# Altium PCB ui_brd_raton_v0.PcbDoc (part 4 of 4)
Units mm, origin at the board's own origin, x right, y up, seen from the top; angles counter-clockwise.
Board outline 280.16 x 208.53 mm, 2 copper layers (Top Layer, Bottom Layer); 354 components, 324 nets, 1344 pads, 595 vias.
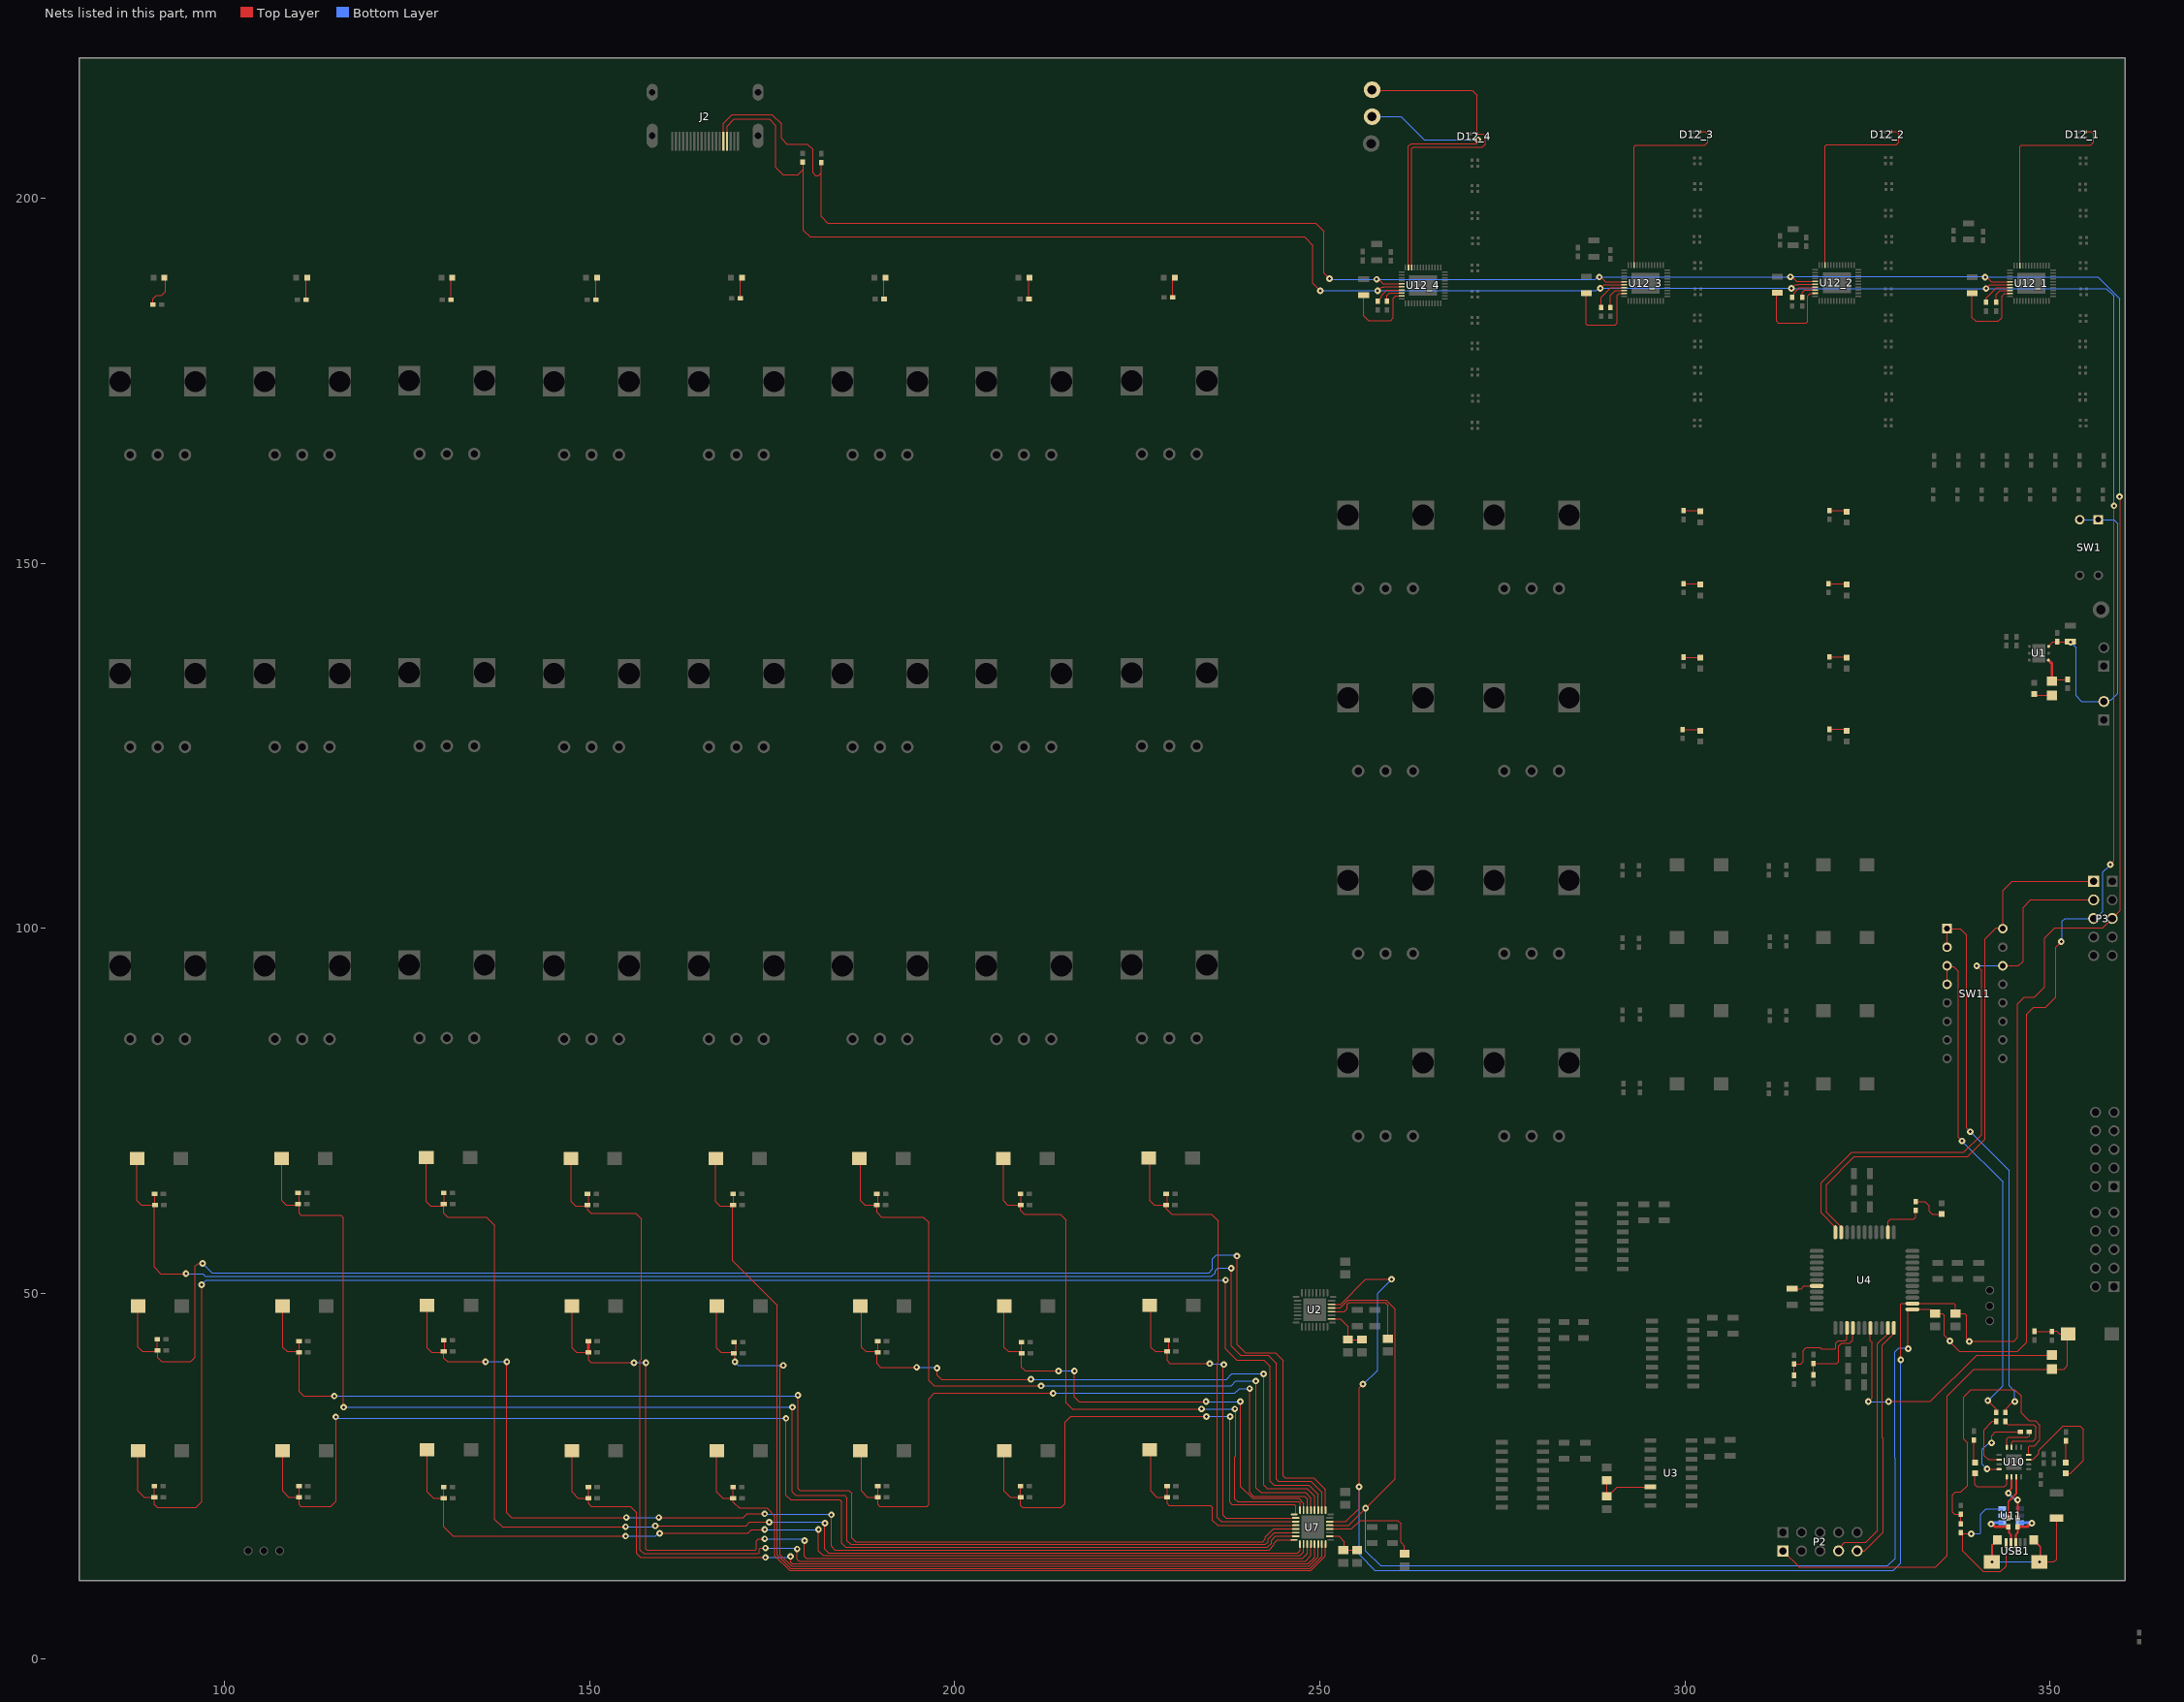
[diagram p4: the nets of this part, all layers, seen from the top]

## Via types
v1: diameter 0.9, hole 0.4, Top Layer to Bottom Layer, tented both sides, 571 vias
v2: diameter 0.5, hole 0.2, Top Layer to Bottom Layer, 16 vias
v3: diameter 0.6, hole 0.3, Top Layer to Bottom Layer, 4 vias
v4: diameter 6, hole 3.15, Top Layer to Bottom Layer, 4 vias

## Nets (pads, with @x,y where several pads share a name; then routed paths per layer and width w, separated by ;. In a path a pad name is that pad's centre, name@x,y a point inside that pad or via, vN(x,y) a via of type N, cw(c..) or ccw(c..) an arc to the next point about the centre after c; other vN are vias at no path point) (continued)
LED12_G_4: D12_4.3 J4_4.1 U12_4.35 | length 42.5
  Top Layer w0.152: U12_4.35@262.16,190.493 262.16,207.125 262.493,207.458 271.51,207.458 271.653,207.601 v1(271.653,207.988)
  Bottom Layer w0.152: J4_4.1@257.175,211.157 261.156,211.157 264.325,207.988 v1(271.653,207.988)
LED12_R_1: D12_1.2 U12_1.34 | length 28.9
  Top Layer w0.152: U12_1.34@345.872,190.791 345.872,207.061 346.075,207.264 355.6,207.264 355.981,207.645 355.981,208.788 355.683,209.086 D12_1.2@354.965,209.086
LED12_R_2: D12_2.2 U12_2.34 | length 28.9
  Top Layer w0.152: U12_2.34@319.202,190.829 319.202,207.099 319.405,207.302 328.93,207.302 329.311,207.683 329.311,208.826 329.013,209.124 D12_2.2@328.295,209.124
LED12_R_3: D12_3.2 U12_3.34 | length 28.9
  Top Layer w0.152: U12_3.34@293.034,190.81 293.034,207.08 293.237,207.283 302.762,207.283 303.143,207.664 303.143,208.807 302.845,209.105 D12_3.2@302.127,209.105
LED12_R_4: D12_4.2 J5_4.1 U12_4.34 | length 48.8
  Top Layer w0.152: J5_4.1@257.175,214.84 257.258,214.757 270.891,214.757 271.545,214.103 D12_4.2@271.545,208.832 ; U12_4.34@262.56,190.493 262.56,206.763 262.763,206.966 272.288,206.966 272.669,207.347 272.669,208.49 272.371,208.788 D12_4.2@271.653,208.788
MCLRbar: C30.1 P2.1 R51.2 R56.1 SW10.1 | length 73.3
  Top Layer w0.152: P2.1@313.436,14.732 315.595,12.573 315.595,12.535 334.353,12.535 335.915,14.097 335.915,35.941 337.236,37.262 339.598,39.624 R56.1@350.266,39.624 351.917,39.624 352.425,40.132 352.425,44.402 SW10.1@352.473,44.45 351.282,44.45 350.901,44.831 350.301,44.831 R51.2@350.266,44.796 C30.1@347.853,44.796
MCU_RX: P3.1 SW11.16 U4.43 | length 80.4
  Top Layer w0.152: U4.43@321.412,58.366 321.412,59.097 319.405,61.104 319.405,64.897 323.215,68.707 338.709,68.707 341.122,71.12 341.122,98.552 342.646,100.076 343.408,100.076 SW11.16@343.535,99.949 343.535,105.156 344.805,106.426 P3.1@355.981,106.426
MCU_TX: P3.3 SW11.14 U4.44 | length 79.7
  Top Layer w0.152: U4.44@320.612,58.366 320.612,59.041 318.643,61.01 318.643,65.151 322.834,69.342 338.201,69.342 340.614,71.755 340.614,94.234 v1(339.979,94.869) ; SW11.14@343.535,94.869 345.694,94.869 346.329,95.504 346.329,102.87 347.345,103.886 P3.3@355.981,103.886
  Bottom Layer w0.152: v1(339.979,94.869) SW11.14@343.535,94.869
Mute_1: C42_1.1 R70_1.2 SW12_1.1 U7.22 | length 120.3
  Top Layer w0.152: SW12_1.1@167.434,48.128 167.434,42.492 168.021,41.905 169.996,41.905 170.123,42.032 170.088,42.067 R70_1.2@170.088,43.556 ; C42_1.1@169.799,41.783 169.926,41.656 v1(169.926,40.64) ; v1@176.149,40.132 176.131,40.114 176.131,14.192 177.674,12.649 248.538,12.649 249.797,13.908 U7.22@249.797,15.666
  Bottom Layer w0.152: v1(169.926,40.64) 170.434,40.132 v1@176.149,40.132
  other v1: 176.53,40.132
Mute_2: C42_2.1 R70_2.2 SW12_2.1 U7.19 | length 140.2
  Top Layer w0.152: SW12_2.1@147.597,48.26 147.597,48.153 147.622,48.128 147.622,42.492 148.209,41.905 C42_2.1@149.86,41.905 ; C42_2.1@149.86,41.91 C42_2.1@149.86,41.905 ; v1(156.083,40.513) 150.241,40.513 149.86,40.894 C42_2.1@149.86,41.905 ; v1(157.734,40.513) 157.734,14.986 157.861,14.859 172.72,14.859 172.847,14.986 172.847,16.129 173.101,16.383 v1(173.99,16.383) ; v1(179.451,16.129) 179.451,13.97 179.705,13.716 247.65,13.716 248.297,14.363 U7.19@248.297,15.666
  Top Layer w0.381: C42_2.1@149.86,41.91 R70_2.2@149.86,43.434
  Bottom Layer w0.152: v1(156.083,40.513) v1(157.734,40.513) ; v1(173.99,16.383) 179.197,16.383 v1(179.451,16.129)
Mute_3: C42_3.1 R70_3.2 SW12_3.1 U7.16 | length 153.9
  Top Layer w0.152: SW12_3.1@127.81,48.128 127.81,42.492 128.397,41.905 C42_3.1@130.048,41.905 ; C42_3.1@130.048,42.037 C42_3.1@130.048,41.905 ; R70_3.2@130.175,43.709 130.175,42.261 C42_3.1@130.223,42.212 ; v1(135.763,40.64) 130.556,40.64 130.048,41.148 C42_3.1@130.048,41.905 ; v1(138.684,40.64) 138.684,19.939 139.319,19.304 v1(155.067,19.304) ; v1(159.512,19.304) 171.069,19.304 171.577,19.812 v1(173.99,19.812) ; v1(183.134,19.685) 183.134,15.367 183.642,14.859 243.078,14.859 243.769,15.55 243.769,15.804 244.221,16.256 246.707,16.256 U7.16@246.722,16.241
  Bottom Layer w0.152: v1(135.763,40.64) v1(138.684,40.64) ; v1(155.067,19.304) v1(159.512,19.304) ; v1(173.99,19.812) 174.053,19.748 183.07,19.748 v1(183.134,19.685)
Mute_4: C42_4.1 R70_4.2 SW12_4.1 U7.13 | length 172.6
  Top Layer w0.152: SW12_4.1@107.998,48.255 107.998,42.619 108.585,42.032 C42_4.1@110.236,42.032 ; R70_4.2@110.236,43.57 R70_4.2@110.236,43.434 C42_4.1@110.236,42.032 ; v1(115.062,35.941) 110.871,35.941 110.236,36.576 C42_4.1@110.236,41.91 C42_4.1@110.236,42.032 ; v1(178.562,36.068) 178.58,36.05 178.58,29.491 178.562,29.473 178.562,23.241 178.816,22.987 185.547,22.987 185.928,22.606 185.928,16.51 186.436,16.002 242.189,16.002 242.57,16.383 242.57,16.637 243.674,17.741 U7.13@246.722,17.741
  Bottom Layer w0.152: v1@114.808,36.195 v1(115.062,35.941) 178.435,35.941 v1(178.562,36.068)
Mute_5: C42_5.1 R70_5.2 SW12_5.1 U7.10 | length 49.4
  Top Layer w0.152: SW12_5.1@226.87,48.255 226.87,42.619 227.457,42.032 C42_5.1@229.108,42.032 ; C42_5.1@229.108,42.037 C42_5.1@229.108,42.032 ; 229.362,42.356 R70_5.2@229.362,43.691 ; v1(234.95,40.386) 229.489,40.386 229.108,40.767 C42_5.1@229.108,42.032 ; v1(236.855,40.259) 236.791,40.195 236.791,19.622 237.172,19.241 U7.10@246.722,19.241
  Bottom Layer w0.152: v1(234.95,40.386) 235.013,40.322 236.791,40.322 v1(236.855,40.259)
Mute_6: C42_6.1 R70_6.2 SW12_6.1 U7.7 | length 68.1
  Top Layer w0.152: SW12_6.1@206.804,48.255 206.804,42.619 207.391,42.032 C42_6.1@209.047,42.032 ; R70_6.2@209.296,43.18 R70_6.2@209.169,43.307 209.169,42.032 C42_6.1@209.047,42.032 ; v1(214.249,39.37) 209.677,39.37 209.169,39.878 C42_6.1@209.169,41.783 209.169,41.91 C42_6.1@209.047,42.032 ; v1(216.408,39.37) 216.408,35.814 217.043,35.179 v1(234.442,35.179) ; v1(239.141,35.179) 239.159,35.161 239.159,23.554 240.793,21.92 247.116,21.92 247.797,21.239 U7.7@247.797,20.316
  Bottom Layer w0.152: v1(214.249,39.37) v1(216.408,39.37) ; v1(234.442,35.179) v1(239.141,35.179)
Mute_7: C42_7.1 R70_7.2 SW12_7.1 U7.4 | length 90.9
  Top Layer w0.152: SW12_7.1@187.246,48.255 187.246,42.619 187.833,42.032 C42_7.1@189.484,42.032 ; R70_7.2@189.484,43.62 R70_7.2@189.484,43.434 C42_7.1@189.484,42.032 ; v1(194.818,39.878) 189.865,39.878 189.357,40.386 189.357,41.783 C42_7.1@189.484,41.91 C42_7.1@189.484,42.032 ; v1(197.612,39.751) 197.612,38.808 198.193,38.227 v1(210.439,38.227) ; v1(242.316,38.989) 242.316,23.749 242.824,23.241 248.285,23.241 249.297,22.229 U7.4@249.297,20.316
  Bottom Layer w0.152: v1(194.818,39.878) 197.485,39.878 v1(197.612,39.751) ; v1(210.439,38.227) 237.236,38.227 237.998,38.989 v1(242.316,38.989)
Mute_8: C42_8.1 R70_8.2 SW12_8.1 U7.1 | length 218.9
  Top Layer w0.152: SW12_8.1@88.186,48.26 88.186,42.624 88.773,42.037 90.748,42.037 C42_8.1@90.875,42.164 ; R70_8.2@90.84,43.688 90.84,42.199 C42_8.1@90.875,42.164 ; v1(97.028,54.102) 96.393,54.102 96.012,53.721 96.012,41.275 95.377,40.64 91.44,40.64 90.875,41.205 C42_8.1@90.875,42.164 ; v1(238.669,55.118) 238.669,43.017 239.852,41.834 243.916,41.834 244.983,40.767 244.983,25.019 245.237,24.765 249.174,24.765 250.797,23.142 U7.1@250.797,20.316
  Bottom Layer w0.152: v1(97.028,54.102) 97.605,53.525 98.298,52.832 234.823,52.832 235.331,53.34 235.331,54.737 235.839,55.245 238.542,55.245 v1(238.669,55.118)
NetC24_1: C24.1 U4.7 | length 3.5
  Top Layer w0.152: C24.1@314.706,50.63 315.933,50.63 316.319,51.016 U4.7@318.062,51.016
NetC41_1_1: C41_1.1 U12_1.45 | length 12.1
  Top Layer w0.152: C41_1.1@339.39,186.941 C41_1.1@339.344,186.987 339.344,183.642 339.852,183.134 342.9,183.134 343.408,183.642 343.408,186.563 343.786,186.941 U12_1.45@344.522,186.941
NetC41_2_1: C41_2.1 U12_2.45 | length 13.2
  Top Layer w0.152: C41_2.1@312.72,186.979 C41_2.1@312.674,187.025 312.547,186.898 312.547,183.134 312.801,182.88 316.611,182.88 316.801,183.07 316.801,186.626 317.154,186.979 U12_2.45@317.852,186.979
NetC41_3_1: C41_3.1 U12_3.45 | length 13.6
  Top Layer w0.152: C41_3.1@286.568,186.944 C41_3.1@286.506,187.006 286.506,182.759 286.639,182.626 290.449,182.626 290.703,182.88 290.703,186.69 290.973,186.96 U12_3.45@291.684,186.96 U12_3.45@291.668,186.944
NetC41_4_1: C41_4.1 U12_4.45 | length 11.3
  Top Layer w0.152: C41_4.1@256.078,186.643 C41_4.1@256.032,186.689 256.032,183.896 256.667,183.261 259.715,183.261 260.096,183.642 260.096,186.309 260.43,186.643 U12_4.45@261.21,186.643
NetC45_1: C45.1 R72.1 U4.14 | length 13.1
  Top Layer w0.152: C45.1@314.96,38.792 R72.1@314.96,40.329 315.919,40.329 316.23,40.64 316.23,42.164 316.629,42.563 318.516,42.563 318.661,42.418 320.548,42.418 320.675,42.545 320.675,43.18 320.98,43.485 321.996,43.485 322.212,43.701 U4.14@322.212,45.266
NetC46_1: C46.1 R74.1 U4.15 | length 11.2
  Top Layer w0.152: C46.1@317.627,38.827 R74.1@317.627,40.421 317.662,40.386 320.802,40.386 321.056,40.64 321.056,42.799 321.437,43.18 322.58,43.18 322.961,43.561 322.961,45.215 U4.15@323.012,45.266
NetDRX1_2: DRX1.2 R66.2 | length 3
  Top Layer w0.152: DRX1.2@352.171,26.838 R66.2@352.171,29.806
NetDTX1_2: DTX1.2 R65.2 | length 3.1
  Top Layer w0.152: R65.2@339.598,29.933 339.598,26.965 DTX1.2@339.725,26.838
NetEMI1_1: EMI1.1 USB1.6 | length 21.4
  Top Layer w0.152: v1(348.548,13.226) 350.538,13.226 350.901,13.589 EMI1.1@350.901,19.23
  Top Layer w0.254: v1(342.048,13.226) 342.048,15.476 342.275,15.703 342.325,15.703 342.798,16.176 USB1.6@342.798,16.226 ; USB1.6@347.798,16.226 347.798,16.176 348.673,15.301 348.673,13.351 v1(348.548,13.226)
  Bottom Layer w0.152: v1(342.048,13.226) v1(348.548,13.226)
NetLED1_2: LED1.2 R2.1 | length 2.5
  Top Layer w0.152: LED1.2@347.853,132.104 348.049,131.908 R2.1@350.266,131.908
NetLED2_2: LED2.2 R25.2 | length 2.3
  Top Layer w0.152: R25.2@299.847,157.191 302.029,157.191 LED2.2@302.133,157.087
NetLED3_2: LED3.2 R26.2 | length 2.3
  Top Layer w0.152: R26.2@299.847,137.125 302.083,137.125 LED3.2@302.133,137.075
NetLED4_2: LED4.2 R29.2 | length 2.4
  Top Layer w0.152: R29.2@319.786,157.226 321.982,157.226 LED4.2@322.133,157.075
NetLED5_2: LED5.2 R30.2 | length 2.4
  Top Layer w0.152: R30.2@319.786,137.16 322.048,137.16 LED5.2@322.133,137.075
NetLED6_2: LED6.2 R31.2 | length 2.3
  Top Layer w0.152: R31.2@299.847,147.193 302.015,147.193 LED6.2@302.133,147.075
NetLED7_2: LED7.2 R32.2 | length 2.5
  Top Layer w0.152: R32.2@299.72,127.219 301.989,127.219 LED7.2@302.133,127.075
NetLED8_2: LED8.2 R33.2 | length 2.5
  Top Layer w0.152: R33.2@319.659,147.193 322.015,147.193 LED8.2@322.133,147.075
NetLED9_2: LED9.2 R34.2 | length 2.4
  Top Layer w0.152: R34.2@319.786,127.254 321.954,127.254 LED9.2@322.133,127.075
NetLED10_2: LED10.2 R42.2 | length 4.7
  Top Layer w0.152: R42.2@331.597,62.576 332.902,62.576 333.502,61.976 333.502,61.214 333.871,60.845 LED10.2@335.153,60.845
NetLED11_1_2: LED11_1.2 R71_1.2 | length 2.9
  Top Layer w0.152: R71_1.2@170.688,186.309 170.688,188.921 LED11_1.2@170.87,189.103
NetLED11_2_2: LED11_2.2 R71_2.2 | length 3.1
  Top Layer w0.152: R71_2.2@150.876,186.055 150.876,188.946 LED11_2.2@151.033,189.103
NetLED11_3_2: LED11_3.2 R71_3.2 | length 3.1
  Top Layer w0.152: R71_3.2@131.029,186.055 131.029,188.911 LED11_3.2@131.221,189.103
NetLED11_4_2: LED11_4.2 R71_4.2 | length 3.1
  Top Layer w0.152: R71_4.2@111.182,186.055 111.182,188.918 LED11_4.2@111.367,189.103
NetLED11_5_2: LED11_5.2 R71_5.2 | length 2.8
  Top Layer w0.152: R71_5.2@229.87,186.436 229.87,188.819 LED11_5.2@230.154,189.103
NetLED11_6_2: LED11_6.2 R71_6.2 | length 2.9
  Top Layer w0.152: R71_6.2@210.185,186.182 210.185,189.048 LED11_6.2@210.24,189.103
NetLED11_7_2: LED11_7.2 R71_7.2 | length 3
  Top Layer w0.152: R71_7.2@190.338,186.182 190.338,188.911 LED11_7.2@190.53,189.103
NetLED11_8_2: LED11_8.2 R71_8.2 | length 4.9
  Top Layer w0.152: R71_8.2@90.205,185.42 90.205,186.217 90.678,186.69 91.44,186.69 91.948,187.198 91.948,188.952 LED11_8.2@91.797,189.103
NetR1_1: R1.1 R2.2 U1.4 | length 5.3
  Top Layer w0.152: R2.2@350.266,133.858 350.485,134.077 R1.1@352.425,134.077
  Top Layer w0.381: U1.4@349.788,136.718 350.266,136.24 R2.2@350.266,133.858
NetR35_1: R35.1 R37.2 U2.26 | length 6.4
  Top Layer w0.152: U2.26@251.626,46.502 252.837,46.502 253.873,45.466 R37.2@253.873,43.674 R35.1@255.778,43.674
NetR38_1: R38.1 R39.2 U3.6 | length 8.3
  Top Layer w0.152: R38.1@289.306,24.398 289.306,22.479 289.713,22.479 290.729,23.495 U3.6@295.275,23.495
NetR42_1: R42.1 U4.35 | length 6.4
  Top Layer w0.152: U4.35@327.812,58.366 327.812,59.842 328.168,60.198 331.343,60.198 331.597,60.452 R42.1@331.597,61.376
NetR45_1: R45.1 R47.2 U7.26 | length 5.2
  Top Layer w0.152: U7.26@251.372,16.741 252.626,16.741 253.365,16.002 253.365,14.958 253.492,14.831 R45.1@255.143,14.831
NetR56_2: R56.2 U4.18 | length 38.3
  Top Layer w0.152: v1(325.12,35.179) 325.628,35.687 325.628,43.307 325.412,43.523 U4.18@325.412,45.266 ; v1(327.901,35.188) 333.638,35.188 339.979,41.529 350.221,41.529 R56.2@350.266,41.574
  Bottom Layer w0.152: v1(325.12,35.179) v1@328.041,35.179
NetR62_1: R62.1 U10.4 | length 11.4
  Top Layer w0.152: v1(341.376,25.961) 341.406,25.931 U10.4@343.041,25.931 U10.4@343.013,25.959 ; v1(342.011,29.517) 342.011,30.533 342.519,31.041 R62.1@345.948,31.041
  Bottom Layer w0.152: v1(341.376,25.961) 340.741,26.596 340.741,28.628 341.63,29.517 v1(342.011,29.517)
NetR62_2: R62.2 U10.16 | length 5
  Top Layer w0.152: U10.16@344.091,28.931 344.091,30.073 344.297,30.279 346.95,30.279 347.183,30.512 347.183,31.006 R62.2@347.148,31.041
NetR64_1: R64.1 R67.2 U10.12 | length 39.2
  Top Layer w0.152: R64.1@337.82,18.433 R67.2@337.82,19.773 336.896,19.773 336.677,19.992 336.677,22.405 337.058,22.786 337.82,22.786 338.727,23.693 338.727,29.49 338.201,30.017 338.201,35.814 339.217,36.83 345.186,36.83 346.075,35.941 346.075,33.655 347.165,32.565 347.98,32.565 348.615,31.93 348.615,29.898 347.853,29.136 347.218,29.136 347.091,29.009 U10.12@347.091,27.881
NetR79_1_2: R79_1.2 U12_1.43 | length 4.4
  Top Layer w0.152: R79_1.2@341.249,185.731 341.249,186.309 342.681,187.741 U12_1.43@344.522,187.741
NetR79_2_2: R79_2.2 U12_2.43 | length 3.9
  Top Layer w0.152: R79_2.2@314.706,186.401 314.93,186.625 314.93,187.005 315.66,187.734 317.439,187.734 317.46,187.755 317.828,187.755 U12_2.43@317.852,187.779
NetR79_3_2: R79_3.2 U12_3.43 | length 5.1
  Top Layer w0.152: R79_3.2@288.544,185.004 288.544,186.436 289.868,187.76 U12_3.43@291.684,187.76
NetR79_4_2: R79_4.2 U12_4.43 | length 4.1
  Top Layer w0.152: R79_4.2@257.937,185.893 257.937,185.968 258.445,186.476 258.445,186.69 259.198,187.443 U12_4.43@261.21,187.443
NetR80_1_2: R80_1.2 U12_1.44 | length 3.2
  Top Layer w0.152: R80_1.2@342.646,185.731 342.646,186.817 343.17,187.341 U12_1.44@344.522,187.341
NetR80_2_2: R80_2.2 U12_2.44 | length 2.5
  Top Layer w0.152: R80_2.2@316.103,186.401 316.103,187.071 316.411,187.379 U12_2.44@317.852,187.379
NetR80_3_2: R80_3.2 U12_3.44 | length 3.8
  Top Layer w0.152: R80_3.2@289.814,185.039 289.814,186.69 290.484,187.36 U12_3.44@291.684,187.36
NetR80_4_2: R80_4.2 U12_4.44 | length 2.9
  Top Layer w0.152: R80_4.2@259.207,185.893 259.207,186.69 259.56,187.043 U12_4.44@261.21,187.043
PGC: P2.9 U4.22 | length 33.3
  Top Layer w0.152: P2.9@323.596,14.732 324.612,14.732 327.152,17.272 327.152,30.142 327.025,30.269 327.025,42.948 328.612,44.535 U4.22@328.612,45.266
PGD: P2.7 U4.21 | length 35
  Top Layer w0.152: P2.7@321.056,14.732 321.056,15.097 321.564,15.605 321.564,15.621 321.881,15.938 324.803,15.938 326.39,17.526 326.39,43.113 327.812,44.535 U4.21@327.812,45.266
"RST 1": R55.1 U7.28 | length 14.8
  Top Layer w0.152: U7.28@251.372,17.741 254.342,17.741 255.524,18.923 260.654,18.923 261.112,18.465 261.112,15.875 261.62,15.367 R55.1@261.62,14.337
"RST 2": R41.1 U2.28 | length 13.3
  Top Layer w0.152: U2.28@251.626,47.502 253.369,47.502 253.746,47.879 253.746,48.514 254,48.768 258.953,48.768 259.334,48.387 R41.1@259.334,43.801
RX: R59.2 SW11.1 SW11.2 | length 74.4
  Top Layer w0.152: SW11.2@335.915,97.409 SW11.1@335.915,99.949 337.693,99.949 338.582,99.06 338.582,72.644 v1(339.09,72.136) ; R59.2@343.916,33.673 343.94,33.697 343.94,34.187 344.789,35.036 345.043,35.036 v1(345.186,35.179)
  Bottom Layer w0.152: v1(339.09,72.136) 344.424,66.802 344.424,37.338 345.186,36.576 v1(345.186,35.179)
RX_LED: DRX1.1 U10.11 | length 17.3
  Top Layer w0.152: U10.11@347.091,27.231 347.695,27.231 348.493,28.029 348.493,28.495 351.819,31.821 354.145,31.821 354.602,31.364 354.602,27.141 352.8,25.338 DRX1.1@352.171,25.338
SCL: J2.16 P3.5 R48.1 R69.1 U2.29 U4.23 U7.29 U12_1.42 U12_2.42 U12_3.42 U12_4.42 | length 573.1
  Top Layer w0.152: J2.16@168.851,207.783 168.851,209.872 169.799,210.82 174.625,210.82 175.514,209.931 175.514,204.216 176.53,203.2 178.562,203.2 179.324,203.962 ; R69.1@179.197,204.921 179.324,204.794 179.324,203.962 ; v1(250.063,187.325) 249.047,188.341 249.047,193.548 247.904,194.691 180.213,194.691 179.324,195.58 179.324,203.962 ; U7.29@251.372,18.241 253.953,18.241 260.339,24.627 ; U2.29@251.626,48.002 252.803,48.002 253.874,49.073 259.079,49.073 260.339,47.813 260.339,24.627 ; v1(257.937,187.325) 258.445,187.833 258.826,187.833 258.836,187.843 U12_4.42@261.21,187.843 ; v1(288.411,187.642) 288.919,188.15 289.3,188.15 289.31,188.16 U12_3.42@291.684,188.16 ; v1(314.579,187.661) 315.087,188.169 315.468,188.169 315.478,188.179 U12_2.42@317.852,188.179 ; v1(330.581,42.418) 330.581,47.632 330.765,47.816 U4.23@331.162,47.816 333.553,47.816 334.139,47.23 R48.1@334.264,47.23 335.294,47.23 335.534,46.99 335.534,44.259 v1(336.306,43.488) 336.306,43.297 337.566,42.037 345.567,42.037 346.837,43.307 346.837,88.265 347.726,89.154 349.377,89.154 350.774,90.551 350.774,97.409 v1(351.536,98.171) ; v1(341.249,187.623) 341.757,188.131 342.138,188.131 342.148,188.141 U12_1.42@344.522,188.141 ; v1@358.14,108.585 v1(358.267,108.712) 358.775,109.22 v1(358.775,157.861) ; 260.339,24.627 v1(256.286,20.574) 260.339,24.627
  Bottom Layer w0.152: v1(250.063,187.325) v1(257.937,187.325) 287.892,187.325 288.209,187.642 v1(288.411,187.642) 288.42,187.651 314.57,187.651 v1(314.579,187.661) 314.598,187.642 341.23,187.642 v1(341.249,187.623) 357.715,187.623 358.757,186.581 358.757,158.206 358.665,158.115 v1@358.648,158.115 ; v1(256.286,20.574) 256.286,14.732 258.318,12.7 327.787,12.7 328.803,13.716 328.803,27.457 328.785,27.476 328.785,42.019 329.311,42.545 v1@330.327,42.545 ; v1(351.536,98.171) 351.663,98.298 351.663,100.965 352.044,101.346 P3.5@355.981,101.346 356.269,101.346 356.904,101.981 356.908,101.981 357.251,102.324 357.251,107.696 v1(358.267,108.712)
SDA: J2.15 P3.6 R46.1 R68.1 U2.30 U4.24 U7.30 U12_1.41 U12_2.41 U12_3.41 U12_4.41 | length 571.8
  Top Layer w0.152: J2.15@168.351,207.783 168.351,210.261 169.545,211.455 175.006,211.455 176.276,210.185 176.276,208.153 177.038,207.391 179.832,207.391 180.594,206.629 180.594,203.454 180.975,203.073 181.356,203.073 181.737,203.454 ; R68.1@181.737,204.886 181.737,203.454 ; v1(251.333,188.976) 250.571,189.738 250.571,195.453 249.428,196.596 182.626,196.596 181.737,197.485 181.737,203.454 ; U7.30@251.372,18.741 253.564,18.741 255.397,20.574 v1(255.397,23.495) 255.397,37.084 v1@255.89,37.577 ; U2.30@251.626,48.502 252.872,48.502 256.313,51.943 v1(259.842,51.943) ; v1@258.064,188.849 258.67,188.243 U12_4.41@261.21,188.243 ; v1@288.538,189.166 289.144,188.56 U12_3.41@291.684,188.56 ; v1@314.706,189.185 315.312,188.579 U12_2.41@317.852,188.579 ; v1(329.565,40.894) 329.565,48.514 329.667,48.616 U4.24@331.162,48.616 336.829,48.616 337.058,48.387 R46.1@337.058,47.23 338.342,47.23 338.582,46.99 338.582,43.815 v1(338.963,43.434) 345.059,43.434 345.585,43.96 345.585,68.649 345.567,68.667 345.567,89.662 346.456,90.551 347.853,90.551 349.25,91.948 349.25,98.679 350.647,100.076 357.251,100.076 P3.6@358.521,101.346 359.601,102.426 359.601,159.067 v1(359.537,159.131) ; v1@341.376,189.147 341.982,188.541 U12_1.41@344.522,188.541
  Bottom Layer w0.152: v1(251.333,188.976) 251.431,188.878 287.759,188.878 288.076,189.195 v1(288.279,189.195) 288.288,189.205 314.437,189.205 314.506,189.274 341.019,189.274 v1(341.117,189.176) 356.593,189.176 359.537,186.232 v1(359.537,159.131) ; v1(255.397,23.495) 255.397,14.224 257.556,12.065 328.549,12.065 329.565,13.081 v1(329.565,40.894) ; v1(255.905,37.592) 256.032,37.592 257.937,39.497 257.937,50.038 v1(259.842,51.943)
  other v1: 257.805,188.878 314.447,189.214
Select_1: C44_1.1 R75_1.2 SW14_1.1 U7.24 | length 101.7
  Top Layer w0.152: SW14_1.1@167.434,28.448 167.434,28.316 167.434,22.807 168.27,21.971 C44_1.1@169.672,21.971 ; U7.24@250.797,15.666 250.797,14.046 248.791,12.04 177.421,12.04 175.405,14.056 175.405,19.5 174.313,20.592 170.522,20.592 169.672,21.442 C44_1.1@169.672,21.971 ; C44_1.1@169.672,21.971 R75_1.2@169.672,23.495 ; R75_1.2@169.672,23.495 169.913,23.254 169.971,23.254 169.971,23.271 169.747,23.495 R75_1.2@169.672,23.495
Select_2: C44_2.1 R75_2.2 SW14_2.1 U7.21 | length 119.3
  Top Layer w0.152: SW14_2.1@147.622,28.316 147.622,22.807 148.458,21.971 C44_2.1@149.86,21.971 ; R75_2.2@149.86,23.495 C44_2.1@149.86,21.971 ; v1(174.117,13.843) 156.972,13.843 156.464,14.351 156.464,19.939 155.575,20.828 150.241,20.828 149.86,21.209 C44_2.1@149.86,21.971 ; v1(177.546,13.97) 177.546,13.208 177.8,12.954 248.412,12.954 249.297,13.839 U7.21@249.297,15.666
  Bottom Layer w0.152: v1(174.117,13.843) 177.419,13.843 v1(177.546,13.97)
Select_3: C44_3.1 R75_3.2 SW14_3.1 U7.18 | length 137
  Top Layer w0.152: SW14_3.1@127.785,28.575 127.785,28.341 127.81,28.316 127.81,22.807 128.646,21.971 C44_3.1@130.048,21.971 ; R75_3.2@130.048,23.495 C44_3.1@130.048,21.971 ; v1(154.94,16.764) 131.318,16.764 130.048,18.034 C44_3.1@130.048,21.971 ; v1(159.632,17.145) 171.704,17.145 172.212,17.653 v1(173.99,17.653) ; v1(181.356,17.653) 181.356,14.732 181.991,14.097 247.345,14.097 247.797,14.549 U7.18@247.797,15.666
  Bottom Layer w0.152: v1(154.94,16.764) 159.054,16.764 159.435,17.145 v1(159.632,17.145) ; v1(173.99,17.653) v1(181.356,17.653)
Select_4: C44_4.1 R75_4.2 SW14_4.1 U7.15 | length 177.1
  Top Layer w0.152: SW14_4.1@107.998,28.443 107.998,22.934 108.834,22.098 C44_4.1@110.236,22.098 ; R75_4.2@110.236,23.622 C44_4.1@110.236,22.098 ; v1(115.252,33.084) 115.303,33.033 115.303,21.577 114.554,20.828 110.49,20.828 110.236,21.082 C44_4.1@110.236,22.098 ; v1(176.911,32.893) 176.911,22.352 177.546,21.717 184.277,21.717 184.531,21.463 184.531,15.748 185.039,15.24 242.824,15.24 243.383,15.799 243.383,16.18 243.944,16.741 U7.15@246.722,16.741
  Bottom Layer w0.152: v1@115.062,33.274 v1(115.252,33.084) 115.443,32.893 v1(176.911,32.893)
Select_5: C44_5.1 R75_5.2 SW14_5.1 U7.12 | length 30.4
  Top Layer w0.152: SW14_5.1@226.87,28.443 226.87,22.934 227.706,22.098 C44_5.1@229.108,22.098 ; R75_5.2@229.108,23.622 C44_5.1@229.108,22.098 ; U7.12@246.722,18.241 236.013,18.241 235.331,18.923 235.331,20.701 235.077,20.955 229.362,20.955 229.108,21.209 C44_5.1@229.108,22.098
Select_6: C44_6.1 R75_6.2 SW14_6.1 U7.9 | length 73.4
  Top Layer w0.152: SW14_6.1@206.804,28.443 206.804,22.934 207.64,22.098 C44_6.1@209.042,22.098 ; R75_6.2@209.042,23.622 C44_6.1@209.042,22.098 ; v1(234.486,33.147) 215.9,33.147 215.138,32.385 215.138,21.209 214.63,20.701 209.296,20.701 209.042,20.955 C44_6.1@209.042,22.098 ; v1(237.744,33.147) 237.68,33.083 237.68,21.4 237.998,21.082 246.507,21.082 246.722,20.867 U7.9@246.722,19.741
  Bottom Layer w0.152: v1(234.486,33.147) v1(237.744,33.147)
Select_7: C44_7.1 R75_7.2 SW14_7.1 U7.6 | length 100.8
  Top Layer w0.152: SW14_7.1@187.246,28.443 187.246,22.934 188.082,22.098 C44_7.1@189.484,22.098 ; R75_7.2@189.484,23.622 C44_7.1@189.484,22.098 ; v1(213.487,36.322) 197.231,36.322 196.469,35.56 196.469,21.082 196.215,20.828 189.738,20.828 189.484,21.082 C44_7.1@189.484,22.098 ; v1(240.411,36.957) 240.411,22.733 240.919,22.225 247.904,22.225 248.297,21.832 U7.6@248.297,20.316
  Bottom Layer w0.152: v1(213.487,36.322) 238.379,36.322 239.014,36.957 v1(240.411,36.957)
Select_8: C44_8.1 R75_8.2 SW14_8.1 U7.3 | length 229.5
  Top Layer w0.152: SW14_8.1@88.186,28.448 88.186,22.939 89.022,22.103 C44_8.1@90.424,22.103 ; R75_8.2@90.424,23.627 C44_8.1@90.424,22.103 ; v1(96.901,51.181) 96.901,21.463 96.139,20.701 90.805,20.701 90.424,21.082 C44_8.1@90.424,22.103 ; v1(237.109,51.816) 237.109,42.418 238.633,40.894 242.316,40.894 243.205,40.005 243.205,24.257 243.713,23.749 248.539,23.749 249.797,22.491 U7.3@249.797,20.316
  Bottom Layer w0.152: v1(96.901,51.181) 97.536,51.816 v1(237.109,51.816)
SER_D2S: R59.1 U10.15 | length 10.3
  Top Layer w0.152: R59.1@343.916,32.473 343.916,32.398 344.257,32.057 347.726,32.057 348.107,31.676 348.107,30.152 347.726,29.771 344.932,29.771 344.741,29.58 U10.15@344.741,28.931
SER_S2D: R60.1 U10.2 | length 8
  Top Layer w0.152: R60.1@342.646,32.473 342.117,32.473 340.977,31.332 340.977,27.797 341.543,27.231 U10.2@343.041,27.231
Solo_1: C43_1.1 R73_1.2 SW13_1.1 U7.23 | length 138.2
  Top Layer w0.152: SW13_1.1@167.307,68.453 167.307,68.321 167.307,62.558 167.894,61.971 C43_1.1@169.613,61.971 ; C43_1.1@169.672,62.103 169.613,62.044 C43_1.1@169.613,61.971 ; R73_1.2@169.672,63.627 169.672,63.53 169.707,63.495 C43_1.1@169.707,62.103 ; U7.23@250.297,15.666 250.297,13.977 248.665,12.344 177.547,12.344 175.71,14.182 175.71,48.351 169.613,54.448 C43_1.1@169.613,61.971
Solo_2: C43_2.1 R73_2.2 SW13_2.1 U7.20 | length 160
  Top Layer w0.152: SW13_2.1@147.47,68.453 147.47,68.346 147.495,68.321 147.495,62.558 148.082,61.971 C43_2.1@149.825,61.971 ; C43_2.1@149.733,62.103 149.733,62.063 C43_2.1@149.825,61.971 ; C43_2.1@149.895,62.103 R73_2.2@149.895,63.495 ; v1(174.117,15.113) 173.355,15.113 173.228,14.986 173.228,14.478 173.101,14.351 157.48,14.351 156.954,14.877 156.954,40.836 157.099,40.981 157.099,60.198 156.337,60.96 150.241,60.96 149.733,61.468 149.733,61.879 C43_2.1@149.825,61.971 ; v1(178.435,14.986) 178.435,13.589 178.689,13.335 248.031,13.335 248.797,14.101 U7.20@248.797,15.666
  Bottom Layer w0.152: v1(174.117,15.113) 178.308,15.113 v1(178.435,14.986)
Solo_3: C43_3.1 R73_3.2 SW13_3.1 U7.17 | length 174.6
  Top Layer w0.152: SW13_3.1@127.683,68.321 127.683,62.558 128.27,61.971 C43_3.1@130.048,61.971 ; R73_3.2@130.083,63.495 130.083,62.006 C43_3.1@130.048,61.971 ; v1(154.94,18.034) 138.049,18.034 137.033,19.05 137.033,59.309 135.89,60.452 130.556,60.452 130.048,60.96 C43_3.1@130.048,61.971 ; v1(159.02,18.164) 171.453,18.164 171.958,18.669 v1(174.625,18.669) ; v1(182.245,18.542) 182.245,14.986 182.753,14.478 247.015,14.478 247.297,14.76 U7.17@247.297,15.666
  Bottom Layer w0.152: v1(154.94,18.034) 158.889,18.034 v1(159.02,18.164) ; v1(174.625,18.669) 182.118,18.669 v1(182.245,18.542)
Solo_4: C43_4.1 R73_4.2 SW13_4.1 U7.14 | length 192.8
  Top Layer w0.152: SW13_4.1@107.871,68.448 107.871,62.685 108.458,62.098 C43_4.1@110.236,62.098 ; C43_4.1@110.109,62.23 110.236,62.103 C43_4.1@110.236,62.098 ; C43_4.1@110.271,62.23 R73_4.2@110.271,63.622 ; v1(116.332,34.417) 116.332,60.325 115.951,60.706 110.49,60.706 110.236,60.96 C43_4.1@110.236,62.098 ; v1(177.8,34.417) 177.8,22.796 178.244,22.352 184.912,22.352 185.293,21.971 185.293,16.129 185.801,15.621 242.57,15.621 242.951,16.002 242.951,16.383 243.809,17.241 U7.14@246.722,17.241
  Bottom Layer w0.152: v1@116.205,34.417 v1(116.332,34.417) v1(177.8,34.417)
Solo_5: C43_5.1 R73_5.2 SW13_5.1 U7.11 | length 69.9
  Top Layer w0.152: SW13_5.1@226.743,68.448 226.743,62.685 227.33,62.098 C43_5.1@228.981,62.098 ; C43_5.1@228.981,62.103 C43_5.1@228.981,62.098 ; R73_5.2@229.143,63.622 229.143,62.133 229.108,62.098 C43_5.1@228.981,62.098 ; U7.11@246.722,18.741 236.529,18.741 235.948,19.322 235.948,40.386 cw(c236.728,40.386) 236.093,40.839 236.093,59.944 235.204,60.833 229.743,60.833 228.981,61.595 C43_5.1@228.981,62.098
Solo_6: C43_6.1 R73_6.2 SW13_6.1 U7.8 | length 88.5
  Top Layer w0.152: SW13_6.1@206.677,68.453 206.677,68.448 206.677,62.685 207.264,62.098 C43_6.1@209.042,62.098 ; C43_6.1@209.042,62.103 C43_6.1@209.042,62.098 ; R73_6.2@209.042,63.627 209.047,63.622 209.077,63.622 209.077,62.133 C43_6.1@209.042,62.098 ; v1(233.807,34.163) 216.154,34.163 215.265,35.052 215.265,60.071 214.503,60.833 209.55,60.833 209.042,61.341 C43_6.1@209.042,62.098 ; v1(238.379,34.163) 238.51,34.032 238.51,33.484 238.524,33.47 238.524,27.711 238.397,27.584 238.397,21.826 238.76,21.463 247.142,21.463 247.297,21.308 U7.8@247.297,20.316
  Bottom Layer w0.152: v1(233.807,34.163) v1(238.379,34.163)
Solo_7: C43_7.1 R73_7.2 SW13_7.1 U7.5 | length 110
  Top Layer w0.152: SW13_7.1@187.119,68.448 187.119,62.685 187.706,62.098 C43_7.1@189.357,62.098 ; C43_7.1@189.357,62.103 C43_7.1@189.357,62.098 ; R73_7.2@189.519,63.622 189.519,62.133 189.484,62.098 C43_7.1@189.357,62.098 ; v1(211.836,37.338) 197.231,37.338 196.469,38.1 196.469,59.69 195.707,60.452 189.992,60.452 189.357,61.087 C43_7.1@189.357,62.098 ; v1(241.26,37.994) 241.3,37.954 241.3,23.368 241.935,22.733 248.031,22.733 248.797,21.967 U7.5@248.797,20.316
  Bottom Layer w0.152: v1(211.836,37.338) 237.871,37.338 238.527,37.994 v1(241.26,37.994)
Solo_8: C43_8.1 R73_8.2 SW13_8.1 U7.2 | length 210.1
  Top Layer w0.152: SW13_8.1@88.059,68.453 88.059,62.69 88.646,62.103 C43_8.1@90.424,62.103 ; R73_8.2@90.459,63.627 90.459,62.138 C43_8.1@90.424,62.103 ; v1(94.742,52.705) 91.313,52.705 90.424,53.594 C43_8.1@90.424,62.103 ; v1(237.889,53.449) 237.889,42.781 239.141,41.529 242.951,41.529 244.094,40.386 244.094,24.511 244.348,24.257 248.793,24.257 250.297,22.753 U7.2@250.297,20.316
  Bottom Layer w0.152: v1(94.742,52.705) 97.028,52.705 97.409,52.324 235.204,52.324 235.712,52.832 235.712,53.086 236.075,53.449 v1(237.889,53.449)
TX: R60.2 SW11.3 SW11.4 | length 68.7
  Top Layer w0.152: SW11.4@335.915,92.329 SW11.3@335.915,94.869 336.032,94.752 336.794,94.752 337.439,94.107 337.439,71.374 v1(337.947,70.866) ; v1(341.503,35.306) 342.622,34.187 342.622,33.697 R60.2@342.646,33.673
  Bottom Layer w0.152: v1(337.947,70.866) 343.535,65.278 343.535,37.338 v1(341.503,35.306)
TX_LED: DTX1.1 U10.5 | length 7.2
  Top Layer w0.152: DTX1.1@339.725,25.338 339.725,23.802 339.979,23.548 343.789,23.548 344.091,23.85 U10.5@344.091,24.881
USB_D_N: R61.2 U10.7 | length 6.1
  Top Layer w0.254: R61.2@344.297,19.23 344.297,21.484 344.641,21.828 345.391,22.578 U10.7@345.391,24.881
USB_D_P: R63.2 U10.6 | length 6.6
  Top Layer w0.254: v1(344.297,22.659) 344.275,22.681 344.275,22.905 344.741,23.37 U10.6@344.741,24.881 ; R63.2@345.567,19.23 v1(345.567,21.717)
  Bottom Layer w0.254: v1(344.297,22.659) 345.115,21.841 345.443,21.841 v1(345.567,21.717)
USB_N: R61.1 U11.4 USB1.2 | length 6.4
  Top Layer w0.254: R61.1@344.407,17.92 344.407,17.215 344.648,16.974 USB1.2@344.648,15.801
  Top Layer w0.381: v1(341.941,18.415) 342.081,18.415 342.467,18.03 R61.1@344.297,18.03
  Bottom Layer w0.381: v1(341.941,18.415) 342.081,18.415 342.274,18.608 U11.4@343.478,18.608
USB_P: R63.1 U11.3 USB1.3 | length 6.2
  Top Layer w0.254: USB1.3@345.298,15.801 345.298,16.929 345.567,17.198 R63.1@345.567,18.03
  Top Layer w0.381: R63.1@345.567,18.03 346.878,18.03 347.389,18.541 v1(347.529,18.541)
  Bottom Layer w0.381: U11.3@345.878,18.608 345.912,18.574 347.495,18.574 v1(347.529,18.541)
VBUS: R64.2 U11.5 U11.6 USB1.1 | length 22.7
  Top Layer w0.152: v1(339.217,17.071) 337.982,17.071 R64.2@337.82,17.233 338.044,17.009 338.044,14.738 340.836,11.946 343.26,11.946 343.998,12.684 USB1.1@343.998,15.801
  Bottom Layer w0.152: v1(339.217,17.071) 340.36,17.071 340.487,17.198 340.487,19.738 341.257,20.508 U11.6@343.478,20.508 U11.5@343.478,19.558
VIN: C1.1 C4.1 P4.2 SW1.1 SW1.2 U1.6 | length 46.1
  Top Layer w0.152: U1.6@349.809,138.618 350.418,139.227 C1.1@351.028,139.227 352.798,139.227 C4.1@352.806,139.235
  Bottom Layer w0.152: v1(352.806,139.192) 353.568,138.43 353.568,131.826 354.33,131.064 P4.2@357.378,131.064 357.595,131.281 358.357,131.281 359.283,132.207 359.283,155.448 358.775,155.956 SW1.1@356.616,155.956 SW1.2@354.076,155.956
pads on no net: HEADER1.7 HEADER1.8 HEADER1.9 HEADER1.10 J2. J2.1 J2.2 J2.3 J2.4 J2.5 J2.6 J2.10 J2.11 J2.12 J2.13 J2.14 J12.1 J13.1 J14.1 P2.2 P2.4 P2.6 P2.8 P2.10 P3.7 P3.8 R36.1 R36.2 R43.4 R44.4 R49.4 R50.4 R53.4 R54.4 R57.4 R58.4 R76_1.4 R76_2.4 R76_3.4 R76_4.4 R76_5.4 R76_6.4 R76_7.4 R76_8.4 R77_1.4 R77_2.4 R77_3.4 R77_4.4 R77_5.4 R77_6.4 R77_7.4 R77_8.4 R78_1.4 R78_2.4 R78_3.4 R78_4.4 R78_5.4 R78_6.4 R78_7.4 R78_8.4 SW1.3 SW11.5 SW11.6 SW11.7 SW11.8 SW11.9 SW11.10 SW11.11 SW11.12 U4.1 U4.4 U4.5 U4.8 U4.9 U4.10 U4.11 U4.12 U4.13 U4.19 U6.7 U6.9 U6.10 U6.11 U6.12 U6.13 U6.14 U6.15 U10.14 U11.1
copper on no net: | length 3.7
  Top Layer w0.152: v1(314.452,56.007) 314.643,55.816 318.062,55.816
  other v1: 337.947,25.199

## Polygon pours and split planes (outlines as drawn)
DGND on Bottom Layer "DGND_L02_P010" (solid, pour order 10): 80.137,10.668 80.137,219.202 360.299,219.202 360.299,10.668
3V3 on Bottom Layer "3V3_L02_P000" (solid, pour order 0): 83.312,171.831 238.252,171.831 238.252,152.908 290.576,152.908 290.576,114.935 286.893,114.935 286.893,69.977 236.982,69.977 236.982,79.756 83.566,79.756
3V3 on Bottom Layer "3V3_L02_P002" (solid, pour order 2): 84.963,65.659 233.68,65.659 233.68,22.987 84.836,22.987
DGND on Top Layer "DGND_L01_P009" (solid, pour order 9): 80.137,10.668 80.137,219.202 360.299,219.202 360.299,10.668
3V3 on Top Layer "Top Layer-3V3" (solid, pour order 3): 352.051,209.423 352.298,165.779 359.156,165.779 359.156,210.737 352.044,210.737 352.044,210.712 332.486,210.643 332.486,210.775 325.374,210.775 306.343,210.708 306.343,210.783 299.231,210.783 299.232,210.526 274.574,210.439 268.732,210.439 268.986,165.481 275.844,165.481 275.844,209.423 299.239,209.423 299.485,165.825 306.343,165.825 306.343,209.423 325.382,209.423 325.628,165.817 332.486,165.817 332.486,209.423

## Silkscreen, mask and mechanical layers (free items; w line width, h text height)
Top Overlay:
  circle w0.254: c92.282,15.066 r1.778
  circle w0.254: c91.44,15.875 r1.778
  lines w0.254: 333.248,157.607 337.947,157.607 ; 339.979,157.607 344.678,157.607 ; 341.63,10.975 341.63,11.991 ; 343.535,10.975 344.043,10.975 ; 346.583,157.607 351.282,157.607 ; 348.996,10.975 348.996,11.991 ; 350.393,10.975 350.901,10.975 ; 353.187,157.734 357.886,157.734
  text "Channel 3" at 123.546,194.098 h3.5
  text "Channel 8" at 222.479,194.08 h3.5
  text "Channel 1" at 83.947,193.968 h3.5
  text "Channel 2" at 103.734,193.968 h3.5
  text "Channel 4" at 143.358,193.968 h3.5
  text "Channel 5" at 163.195,193.971 h3.5
  text "Channel 6" at 182.855,193.971 h3.5
  text "Channel 7" at 202.565,193.968 h3.5
  text "3" at 348.615,158.132 h1.52
  text "1" at 335.28,158.115 h1.52
  text "2" at 341.883,158.115 h1.52
  text "4" at 355.219,158.115 h1.52
  text "Frequency" at 123.038,157.379 h3.5
  text "Frequency" at 221.971,157.361 h3.5
  text "Frequency" at 83.439,157.252 h3.5
  text "Frequency" at 103.226,157.252 h3.5
  text "Frequency" at 142.85,157.252 h3.5
  text "Frequency" at 162.687,157.252 h3.5
  text "Frequency" at 182.347,157.252 h3.5
  text "Frequency" at 202.057,157.252 h3.5
  text "Generic 1" at 294.513,151.702 h3.5
  text "Generic 2" at 314.513,151.69 h3.5
  text "3V3 En" at 354.584,146.194 h1.52
  text "Generic 3" at 294.513,141.69 h3.5
  text "Generic 4" at 314.513,141.69 h3.5
  text "Generic 1" at 252.476,141.59 h3.5
  text "Generic 2" at 272.476,141.59 h3.5
  text "G" at 355.6,138.921 h1.52 r180
  text "3V3" at 355.6,136.381 h1.52 r180
  text "Generic 5" at 294.513,131.69 h3.5
  text "Generic 6" at 314.513,131.69 h3.5
  text "IN" at 354.584,130.937 h1.52
  text "G" at 354.838,127.906 h1.52
  text "Generic 7" at 294.513,121.69 h3.5
  text "Generic 8" at 314.513,121.69 h3.5
  text "Generic 3" at 252.476,116.59 h3.5
  text "Generic 4" at 272.476,116.59 h3.5
  text "Gain" at 87.503,116.501 h3.5
  text "Gain" at 127.102,116.501 h3.5
  text "Gain" at 226.035,116.483 h3.5
  text "Gain" at 107.29,116.374 h3.5
  text "Gain" at 146.914,116.374 h3.5
  text "Gain" at 166.751,116.374 h3.5
  text "Gain" at 186.411,116.374 h3.5
  text "Gain" at 206.121,116.374 h3.5
  text "MRX FRX" at 348.234,105.791 h1.52
  text "1" at 296.164,105.664 h3.5
  text "2" at 316.164,105.664 h3.5
  text "MTX FTX" at 348.234,103.505 h1.52
  text "SCL" at 348.361,100.855 h1.52
  text "SDA" at 351.282,100.855 h1.52
  text "MCU" at 344.932,99.458 h1.52
  text "FPGA" at 344.932,96.918 h1.52
  text "3" at 296.164,95.706 h3.5
  text "4" at 316.164,95.664 h3.5
  text "MCU" at 344.932,94.378 h1.52
  text "FPGA" at 344.932,91.838 h1.52
  text "Generic 5" at 252.476,91.717 h3.5
  text "Generic 6" at 272.476,91.717 h3.5
  text "5" at 296.164,85.706 h3.5
  text "6" at 316.164,85.706 h3.5
  text "Volume" at 105.131,76.744 h3.5
  text "Volume" at 124.943,76.744 h3.5
  text "Volume" at 223.876,76.726 h3.5
  text "Volume" at 85.344,76.617 h3.5
  text "Volume" at 144.755,76.617 h3.5
  text "Volume" at 164.592,76.617 h3.5
  text "Volume" at 184.252,76.617 h3.5
  text "Volume" at 203.962,76.617 h3.5
  text "8" at 316.164,75.706 h3.5
  text "7" at 296.164,75.664 h3.5
  text "Generic 7" at 252.476,66.717 h3.5
  text "Generic 8" at 272.476,66.717 h3.5
  text "Select" at 126.975,58.843 h3.5
  text "Select" at 225.908,58.825 h3.5
  text "Select" at 87.376,58.716 h3.5
  text "Select" at 107.163,58.716 h3.5
  text "Select" at 146.787,58.716 h3.5
  text "Select" at 166.624,58.716 h3.5
  text "Select" at 186.284,58.716 h3.5
  text "Select" at 205.994,58.716 h3.5
  text "GND" at 354.457,48.404 h1.52
  text "3V3" at 357.759,48.404 h1.52
  text "Mute" at 167.785,38.669 h3.5
  text "Mute" at 128.27,38.644 h3.5
  text "Mute" at 227.203,38.626 h3.5
  text "Mute" at 88.671,38.517 h3.5
  text "Mute" at 108.458,38.517 h3.5
  text "Mute" at 148.082,38.517 h3.5
  text "Mute" at 187.579,38.517 h3.5
  text "Mute" at 207.289,38.517 h3.5
  text "Solo" at 127.991,18.711 h3.5
  text "Solo" at 226.924,18.693 h3.5
  text "Solo" at 88.392,18.584 h3.5
  text "Solo" at 108.179,18.584 h3.5
  text "Solo" at 147.803,18.584 h3.5
  text "Solo" at 167.64,18.584 h3.5
  text "Solo" at 187.3,18.584 h3.5
  text "Solo" at 207.01,18.584 h3.5
  text "Board No." at 102.489,16.272 h1.52
  text "RATON" at 94.996,16.023 h1.52
  text "ui_brd_v0" at 94.996,14.749 h1.52
  text "callus" at 94.996,13.224 h1.52
  text "Pic Kit" at 316.738,11.827 h1.52
Outline:
  the board outline again, w0.254

## Text inside footprints (layer, text, board x,y; h text height)
HEADER1: Top Overlay "10" at 354.457,75.311 h1 r180; Top Overlay "1" at 361.086,65.147 h1 r180
HEADER2: Top Overlay "10" at 354.457,61.595 h1 r180; Top Overlay "1" at 361.086,51.431 h1 r180
P2: Top Overlay "1." at 313.886,11.957 h1.52 r90; Top Overlay "2." at 313.886,19.207 h1.52 r90; Top Overlay "9." at 324.036,11.957 h1.52 r90; Top Overlay "10." at 324.046,19.207 h1.52 r90
P3: Top Overlay "1." at 353.206,105.976 h1.52; Top Overlay "2." at 360.456,105.976 h1.52; Top Overlay "9." at 353.206,95.826 h1.52; Top Overlay "10." at 360.456,95.816 h1.52